# Altium PCB 单片机综合实验电路板.PcbDoc (part 2 of 2)
Units mil, origin at the board's own origin, x right, y up, seen from the top; angles counter-clockwise.
Board outline 6645 x 5655 mil, 2 copper layers (Top Layer, Bottom Layer); 110 components, 121 nets, 532 pads, 90 vias.
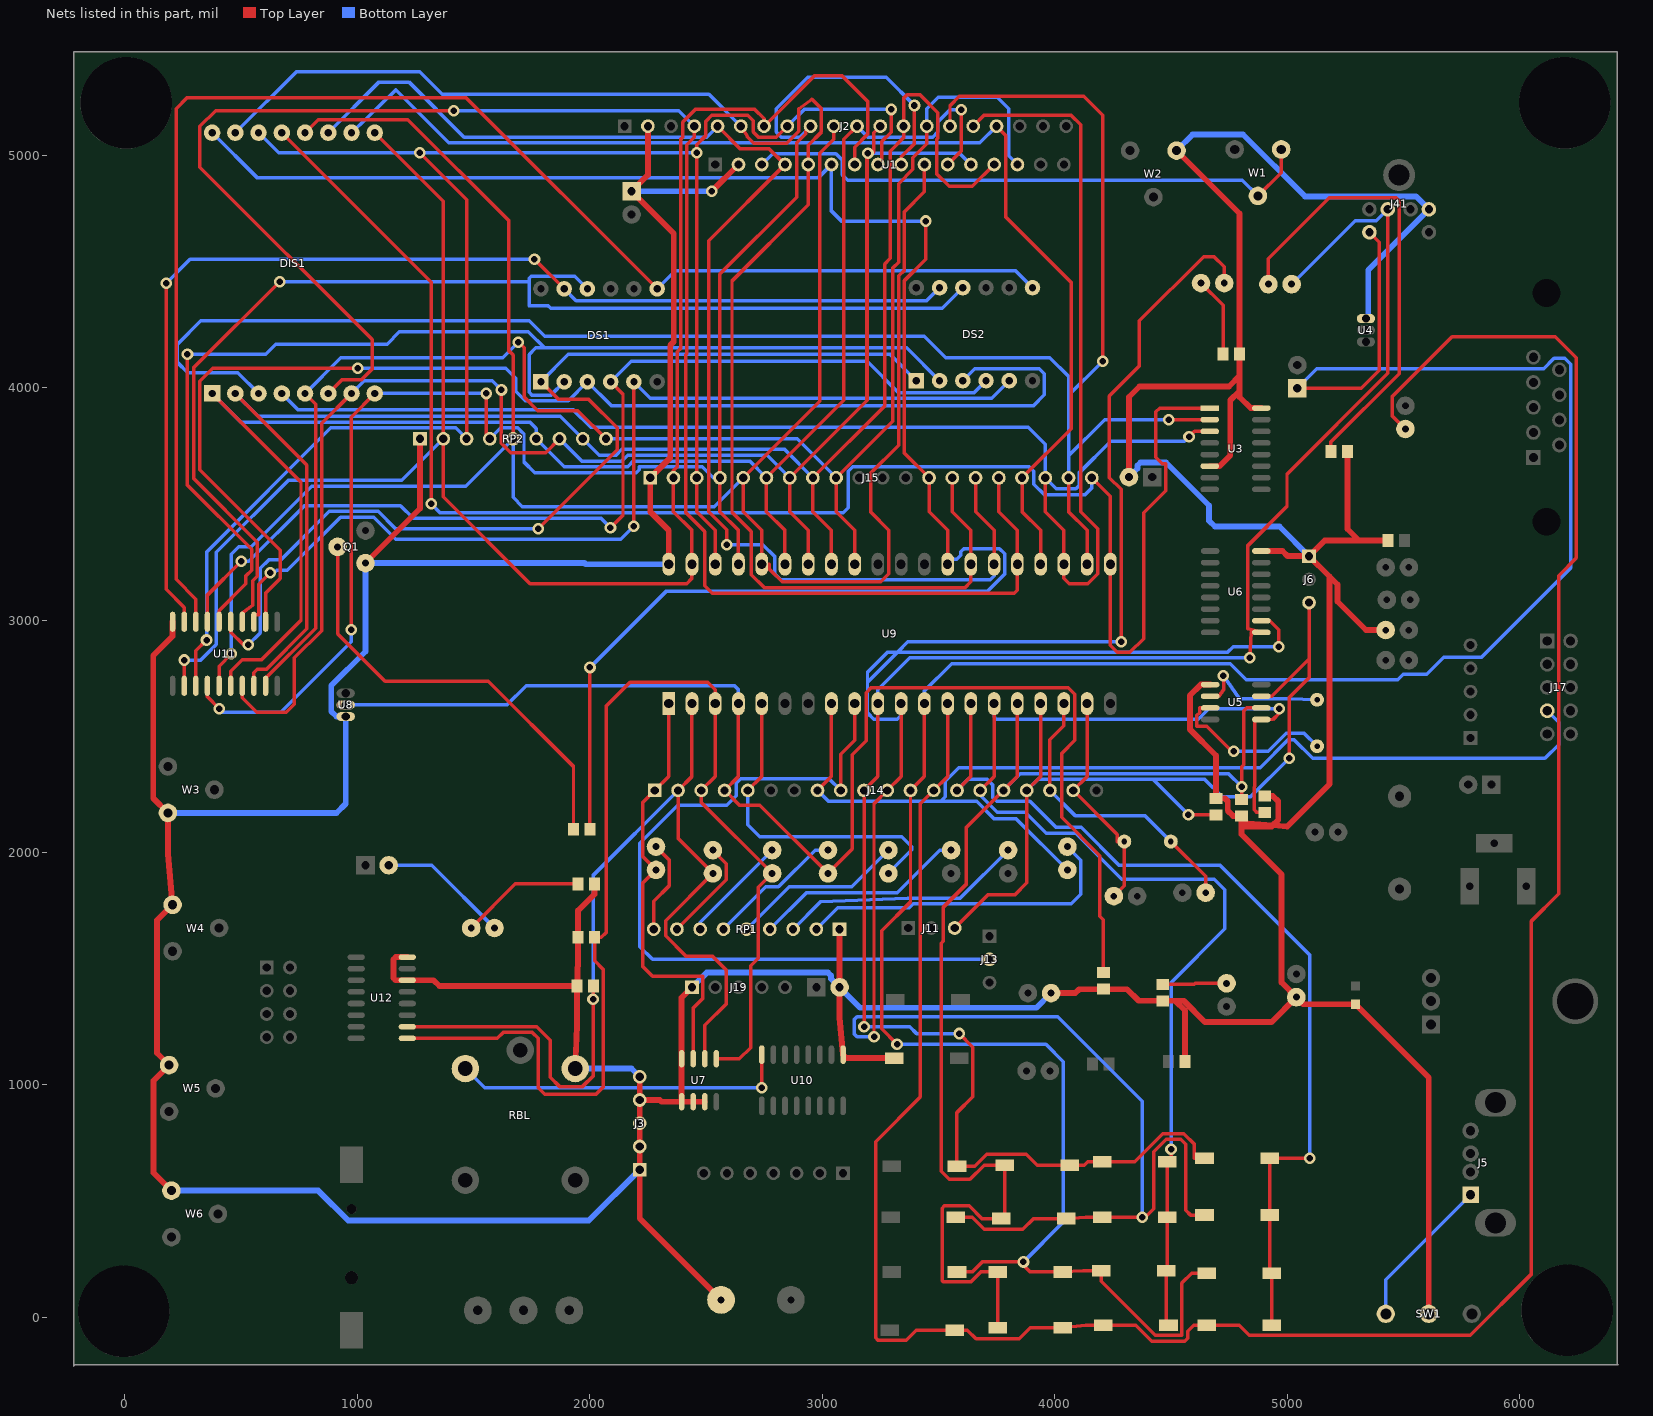
[diagram p2: the nets of this part, all layers, seen from the top]

## Via types
v1: diameter 50, hole 28, Top Layer to Bottom Layer, 90 vias

## Nets (pads, with @x,y where several pads share a name; then routed paths per layer and width w, separated by ;. In a path a pad name is that pad's centre, name@x,y a point inside that pad or via, vN(x,y) a via of type N, cw(c..) or ccw(c..) an arc to the next point about the centre after c; other vN are vias at no path point) (continued)
NetJ23_2: J23.2 LED12.K | length 566.8
  Bottom Layer w15: J23.2@1135,1945 1320,1945 LED12.K@1590,1675
NetLED1_A: LED1.A R18.1 | length 276.9
  Top Layer w15: R18.1@4465,1432.56 4600,1432.56 4604.57,1437.13 LED1.A@4740,1437.13
NetLED2_A: LED2.A RP1.9 | length 407.2
  Top Layer w15: RP1.9@2275,1670 2275,1790.08 2343,1858.08 2343,1967 LED2.A@2285,2025
NetLED3_A: LED3.A RP1.8 | length 452.3
  Top Layer w15: RP1.8@2375,1670 2588,1883 2588,1952 LED3.A@2530,2010
NetLED4_A: LED4.A RP1.7 | length 468.4
  Bottom Layer w15: RP1.7@2475,1670 2475,1700 LED4.A@2785,2010
NetLED5_A: LED5.A RP1.6 | length 590.8
  Bottom Layer w15: RP1.6@2575,1670 2757,1852 2812,1852 2970,2010 LED5.A@3025,2010
NetLED6_A: LED6.A RP1.5 | length 750.8
  Bottom Layer w15: RP1.5@2675,1670 2857.5,1852.5 3127.5,1852.5 LED6.A@3285,2010
NetLED7_A: LED7.A RP1.4 | length 920.8
  Bottom Layer w15: RP1.4@2775,1670 2932.5,1827.5 3323.84,1827.5 3506.34,2010 LED7.A@3555,2010
NetLED8_A: LED8.A RP1.3 | length 1059.2
  Bottom Layer w15: RP1.3@2875,1670 2992,1787 3367.34,1804 3594,1804 LED8.A@3800,2010
NetLED9_A: LED9.A RP1.2 | length 1429.2
  Bottom Layer w15: RP1.2@2975,1670 3067,1762 3375,1762 3392,1779 4072,1779 4113,1820 4113,1967 LED9.A@4055,2025
NetLED10_A: LED10.A R2.1 | length 344.4
  Top Layer w15: LED10.A@4630,4450 4725,4355 R2.1@4725,4145
NetLED11_A: LED11.A R3.1 | length 1987.1
  Top Layer w15: LED11.A@4920,4445 4920,4555 5182,4817 5470,4817 5482.3,4804.7 5482.3,4060.3 5189.13,3767.13 R3.1@5189.13,3725
NetLED12_A: LED12.A R10.1 | length 538.3
  Top Layer w15: LED12.A@1490,1675 1680,1865 R10.1@1949.57,1865
NetQ1_B: Q1.B R1.2 | length 1896.1
  Top Layer w15: Q1.B@915,3315 915,2940 1119,2736 1564,2736 1930,2370 R1.2@1930,2100
NetRBL_2: RBL.2 U10.16 | length 1452.5
  Top Layer w15: v1(2740,987) U10.16@2740,1130
  Bottom Layer w15: RBL.2@1465,1070.32 1548.32,987 v1(2740,987)
NetU1_3: U1.3 W1.1 W1.3 | length 2509.1
  Top Layer w15: W1.3@4875,4825 4975,4925 W1.1@4975,5025
  Bottom Layer w15: U1.3@2740,4960 2787.03,5007.03 3059.48,5007.03 3087.03,4979.48 3087.03,4914.97 3110,4892 4808,4892 W1.3@4875,4825
NetU5_2: U5.2 Y1.1 | length 587.4
  Top Layer w15: U5.2@4669.57,2672.13 4707,2672.13 4727.07,2700.07 4727.07,2758.47 v1(4726,2760)
  Bottom Layer w15: v1(4726,2760) 4795,2661 5004.75,2661 Y1.1@5129.57,2657.13
NetU5_3: U5.3 Y1.2 | length 747.1
  Top Layer w15: U5.3@4669.57,2622.13 4624.07,2622.13 4624.07,2602 4612.07,2590 4612.07,2542.63 4655.37,2542.63 4762,2436 v1(4771,2436)
  Bottom Layer w15: v1(4771,2436) 4920,2436 4997.5,2513.5 5073.19,2513.5 Y1.2@5129.57,2457.13
P00: DIS1.9 J2.7 J15.2 RP2.2 U1.7 U9.39 U11.2 | length 8086.6
  Top Layer w15: U11.2@255,2717.2 v1(255,2828) ; DIS1.9@1075,5097.05 1370,4802.05 RP2.2@1370,3780 1370,3530 1743,3157 2416.84,3157 2439.84,3180 U9.39@2439.84,3240.43 2439.84,3386 2360,3465.84 J15.2@2360,3612.13 2360,3643 2376,3659 2376,4154.27 2392.5,4170.77 2392.5,5070 2400,5077.5 2400,5143 2454.03,5197.03 2710,5197.03 2750,5157.03 J2.7@2750,5125 2968,5343 3084,5343 3197.03,5229.97 3197.03,5092.03 3140,5035 U1.7@3140,4960
  Bottom Layer w15: v1(255,2828) 326.5,2828 393.5,2895 393.5,3291 703.5,3601 1191,3601 RP2.2@1370,3780
P01: DIS1.14 J2.8 J15.3 RP2.3 U1.8 U9.38 U11.3 | length 8340.6
  Top Layer w15: U11.3@305,2717.2 305,2868 v1(351,2914) ; v1(1268,5010) 1470,4808 RP2.3@1470,3780 ; U9.38@2539.84,3240.43 2539.84,3386 2460,3465.84 J15.3@2460,3612.13 v1(2460,5010) 2460,5045 2500,5085 2500,5147 2525.03,5172.03 2678.97,5172.03 2702.97,5148.03 2702.97,5100 2725.97,5077 2802,5077 J2.8@2850,5125 ; U1.8@3240,4960 3257,4960 3257,5059 3297.34,5099.34 v1(3297.34,5197.03)
  Bottom Layer w15: v1(351,2914) 351,3292.12 885.91,3827.03 1422.97,3827.03 RP2.3@1470,3780 ; DIS1.14@575,5097.05 662.05,5010 v1(1268,5010) v1(2460,5010) ; J2.8@2850,5125 2922.03,5197.03 v1(3297.34,5197.03)
P02: DIS1.8 J2.9 J15.4 RP2.4 U1.9 U9.37 U11.4 | length 7152.2
  Top Layer w15: U11.4@355,2717.2 355,2670 v1(406,2619) ; v1(973,2958) 973,3873 DIS1.8@1075,3975 ; v1(1555,3975) 1555,3780 RP2.4@1570,3780 ; U9.37@2639.84,3240.43 2639.84,3386 2560,3465.84 J15.4@2560,3612.13 2560,4488.92 2890,4818.92 2890,5052.97 2929.25,5092.22 2929.25,5104.25 J2.9@2950,5125 ; U1.9@3340,4960 3340,4992.97 3397.03,5050 v1(3397.03,5214)
  Bottom Layer w15: v1(406,2619) 421.6,2603.4 670,2603.4 973,2906.4 v1(973,2958) ; DIS1.8@1075,3975 v1(1555,3975) ; RP2.4@1570,3780 1617.03,3827.03 1690,3827.03 1717.03,3800 1717.03,3680 1764.03,3633 2200,3633 2212.97,3645.97 2212.97,3659.15 2483.85,3659.15 2530.87,3612.13 J15.4@2560,3612.13 ; J2.9@2950,5125 2902.97,5077.97 2824.03,5077.97 2802,5100 2802,5200 2937.5,5335.5 3275.53,5335.5 v1(3397.03,5214)
P03: DIS1.12 J2.10 J15.5 RP2.5 U1.10 U9.36 U11.5 | length 9915
  Top Layer w15: U11.5@405,2717.2 405,2802 v1(457.5,2854.5) ; DIS1.12@775,5097.05 830.95,5153 1217.22,5153 1650.5,4719.72 1650.5,4160 1670,4140.5 RP2.5@1670,3780 ; J2.10@3050,5125 3050,5067.97 2990,5007.97 2990,3942.13 J15.5@2660,3612.13 2660,3465.84 2739.84,3386 U9.36@2739.84,3240.43 2773,3240.43 2773,3219.51 2827.51,3165 3252,3165 3287,3200 3287,3387 3208,3466 3208,3631 3329.03,3752.03 3329.03,4480.97 3354.03,4505.97 3354.03,4757.03 3440,4843 U1.10@3440,4960
  Bottom Layer w15: v1(457.5,2854.5) 457.5,3283 490,3315.5 543.4,3315.5 803.9,3576 1466,3576 RP2.5@1670,3780 1670,3528 1710,3488 2535.87,3488 J15.5@2660,3612.13
P04: DIS1.1 J2.11 J15.6 RP2.6 U1.11 U9.35 U11.6 | length 7052.8
  Top Layer w15: DIS1.1@375,3975 757.5,3592.5 757.5,2999.5 587.62,2829.62 504.62,2829.62 455,2780 U11.6@455,2717.2 ; U9.35@2839.84,3240.43 2839.84,3386 2760,3465.84 J15.6@2760,3612.13 3092.97,3945.1 3092.97,5067.97 J2.11@3150,5125 ; U1.11@3540,4960 3598,5018 v1(3598,5196)
  Bottom Layer w15: DIS1.1@375,3975 497.97,3852.03 1742.03,3852.03 1770,3824.06 RP2.6@1770,3780 1890.85,3659.15 2162.97,3659.15 2187.97,3684.15 2687.97,3684.15 J15.6@2760,3612.13 ; J2.11@3150,5125 3197.03,5077.97 3475,5077.97 3497.03,5100 3497.03,5143.03 3550,5196 v1(3598,5196)
P05: DIS1.7 J2.12 J15.7 RP2.7 U1.12 U9.34 U11.7 | length 7649.5
  Top Layer w15: U11.7@505,2717.2 505,2665 566.6,2603.4 694.31,2603.4 729.19,2638.28 729.19,2837.21 846,2954.02 846,3846 DIS1.7@975,3975 ; v1(1620,3990) 1620,3760 1660,3720 1810,3720 RP2.7@1870,3780 ; U9.34@2939.84,3240.43 2939.84,3386 2860,3465.84 J15.7@2860,3612.13 3192,3944.13 ; v1(3197,5009) 3192,5004 3192,3944.13 ; J2.12@3250,5125 3222.03,5097.03 3222.03,5013.92 3192.97,4984.86 3192.97,3945.1 3192,3944.13
  Bottom Layer w15: DIS1.7@975,3975 1029,4029 1581,4029 v1(1620,3990) ; RP2.7@1870,3780 1965.85,3684.15 2137.97,3684.15 2162.97,3709.15 2762.97,3709.15 J15.7@2860,3612.13 ; v1(3197,5009) 3591,5009 U1.12@3640,4960
P06: DIS1.2 J2.13 J15.8 RP2.8 U1.13 U9.33 U11.8 | length 7118.9
  Top Layer w15: DIS1.2@475,3975 783,3667 783,2962.36 609.18,2788.54 570,2788.54 555,2773.54 U11.8@555,2717.2 ; U9.33@3039.84,3240.43 3039.84,3386 2960,3465.84 J15.8@2960,3612.13 3268.89,3921.01 3268.89,4531.88 3292.97,4555.97 3292.97,5017.84 3350,5074.87 J2.13@3350,5125 3350,5245 3365,5260 3421,5260 3498,5183 3498,5073 3492,5067 3492,4920 3546,4866 3646,4866 U1.13@3740,4960
  Bottom Layer w15: DIS1.2@475,3975 572.97,3877.03 1872.97,3877.03 RP2.8@1970,3780 2040.85,3709.15 2112.97,3709.15 2137.97,3734.15 2837.97,3734.15 J15.8@2960,3612.13
P07: DIS1.5 J2.14 J15.9 RP2.9 U1.14 U9.32 U11.9 | length 6910.8
  Top Layer w15: U11.9@605,2717.2 605,2749 821,2965 821,3929 DIS1.5@775,3975 ; v1(1693,4196) 1718,4171 1718,3960 1777,3901 1949,3901 RP2.9@2070,3780 ; U9.32@3139.84,3240.43 3139.84,3386 3060,3465.84 J15.9@3060,3612.13 3304.03,3856.16 3304.03,4515 3329.03,4540 3329.03,4878.03 3390,4939 3390,4988.92 3450,5048.92 J2.14@3450,5125
  Bottom Layer w15: DIS1.5@775,3975 928,4128 1625,4128 v1(1693,4196) ; RP2.9@2070,3780 2892.13,3780 J15.9@3060,3612.13 ; J2.14@3450,5125 3450,5200 3499,5249 3753,5249 3802,5200 3802,4998 U1.14@3840,4960
P10: J14.1 LED2.K U7.7 U9.1 | length 1875
  Top Layer w15: U9.1@2339.84,2640.43 2339.84,2326.97 J14.1@2280,2267.13 2227,2214.13 2227,1983 LED2.K@2285,1925 2227,1867 2227,1510.03 2270,1467.03 2487.03,1467.03 2487.03,1372.97 2445,1330.94 U7.7@2445,1112.52
P11: J14.2 LED3.K R8.1 U7.6 U9.2 U12.10 | length 4369.4
  Top Layer w15: U12.10@1215,1250 1621.39,1250 1622,1250.61 1772.16,1250.61 1830,1192.78 1830,1033 1870,993 1968.87,993 2015.87,1040 v1@2015.87,1370.87 ; v1(2014,1369) v1@2015.87,1370.87 ; R8.1@2015.87,1425 v1@2015.87,1370.87 ; U9.2@2439.84,2640.43 2439.84,2326.97 J14.2@2380,2267.13 2380,2060 LED3.K@2530,1910 2327,1707 2327,1641 2413.57,1554.43 2526.83,1554.43 2587.03,1494.23 2587.03,1347.97 2495,1255.94 U7.6@2495,1112.52
  Bottom Layer w15: v1(2014,1369) 2014,1901.13 J14.2@2380,2267.13
P12: J14.3 LED4.K R9.1 U7.5 U9.3 U12.9 | length 5215.4
  Top Layer w15: U12.9@1215,1200 1602,1200 1627.61,1225.61 1752.16,1225.61 1777.78,1200 1777.78,987.22 1806,959 2027,959 2057,989 2057,1498 2020.87,1534.13 R9.1@2020.87,1635 2050,1635 2070,1655 2070,2629 2173.15,2732.15 2507.69,2732.15 2539.84,2700 U9.3@2539.84,2640.43 2539.84,2326.97 J14.3@2480,2267.13 2480,2215 LED4.K@2785,1910 2725,1850 2725,1545 2692,1512 2692,1160 2644,1112 2545,1112 U7.5@2545,1112.52
P13: J14.4 LED5.K R20.1 U8.2 U9.4 | length 5840.3
  Top Layer w15: U9.4@2639.84,2640.43 2639.84,2326.97 J14.4@2580,2267.13 2644.13,2203 2732,2203 LED5.K@3025,1910 3130,2015 3130,2420 3190,2480 3190,2688 3210,2708 4059,2708 4087,2680 4087,2483 4030,2426 4030,2151 4195,1986 4195,1726 4210,1711 R20.1@4210,1482.56
  Bottom Layer w15: U8.2@950,2635 1644,2635 1726,2717 2622.84,2717 2639.84,2700 U9.4@2639.84,2640.43
P14: J14.5 LED6.K U9.5 | length 1447.4
  Top Layer w15: J14.5@2680,2267.13 2739.84,2326.97 U9.5@2739.84,2640.43
  Bottom Layer w15: J14.5@2680,2267.13 2680,2120 2732,2068 3343,2068 3386,2025 3386,2011 LED6.K@3285,1910
P17: J14.8 J17.7 LED9.K U9.8 | length 4645.9
  Top Layer w15: J14.8@2980,2267.13 3039.84,2326.97 U9.8@3039.84,2640.43
  Bottom Layer w15: J14.8@2980,2267.13 3027.13,2220 3510,2220 ; LED9.K@4055,1925 3835.8,2144.2 3740.34,2144.2 3664.53,2220 3510,2220 ; J17.7@6120,2610 6169,2561 6169,2464 6110,2405 5111,2405 5032,2484 5004,2484 4884.15,2364.15 3587.15,2364.15 3530,2307 3530,2240 3510,2220
P20: DIS1.13 J15.20 U3.1 U9.21 | length 7245.5
  Top Layer w15: DIS1.13@675,5097.05 1318,4454.05 v1(1318,3500) ; J15.20@4160,3612.13 4239.84,3532.28 U9.21@4239.84,3240.43 4239.84,2891.16 4270,2861 4324,2861 4383,2920 4383,3462.5 4477.5,3557 4477.5,3673 4463,3673 4436,3700 4436,3896.13 4452,3912.13 U3.1@4667.67,3912.13
  Bottom Layer w15: v1(1318,3500) 1355.5,3462.5 3091.5,3462.5 3112,3483 3112,3640 3132,3660 3890,3660 3910,3640 3910,3585.1 3955,3540.1 4132.03,3540.1 4160,3568.07 J15.20@4160,3612.13
P21: DIS1.3 J2.15 J15.19 U3.2 U9.22 | length 8032.8
  Top Layer w15: J2.15@3550,5125 3550,5213 3590,5253 4126,5253 4207,5172 v1(4207,4114) ; J15.19@4060,3612.13 4060,3465.84 4139.84,3386 U9.22@4139.84,3240.43 ; v1(4492,3862.13) U3.2@4667.67,3862.13
  Bottom Layer w15: DIS1.3@575,3975 486,4064 270,4064 226,4108 226,4187 327,4288 1740,4288 1807,4221 3439,4221 3531,4129 3980,4129 4060,4049 4060,3967 ; J15.19@4060,3612.13 4060,3706.3 ; v1(4207,4114) 4060,3967 ; v1(4492,3862.13) 4215.83,3862.13 4060,3706.3 ; 4060,3706.3 4060,3967
P22: DIS1.4 J2.16 J15.18 U3.3 U9.23 | length 7479.5
  Top Layer w15: J2.16@3650,5125 3698,5173 4070,5173 4112,5131 4112,3466 4185,3393 4185,3200 4142,3157 4062.84,3157 4039.84,3180 U9.23@4039.84,3240.43 4039.84,3386 3960,3465.84 J15.18@3960,3612.13 ; v1(4578.37,3788.5) 4602,3812.13 U3.3@4667.67,3812.13
  Bottom Layer w15: DIS1.4@675,3975 746,3904 1930,3904 2005,3829 3887,3829 3960,3756 J15.18@3960,3612.13 4007.03,3565.1 4092.13,3565.1 4107.03,3580 4107.03,3635.03 4241,3769 4558.87,3769 v1(4578.37,3788.5)
P23: DIS1.10 J2.17 J15.17 U9.24 | length 5112.2
  Top Layer w15: J2.17@3750,5125 3788.93,5086.07 3788.93,4735.07 4071.5,4452.5 4071.5,3823.63 J15.17@3860,3612.13 3860,3465.84 3939.84,3386 U9.24@3939.84,3240.43
  Bottom Layer w15: DIS1.10@975,5097.05 1165,5281 1393.03,5052.97 3677.97,5052.97 J2.17@3750,5125
P24: DIS1.6 J2.4 J15.16 U9.25 | length 7676.6
  Top Layer w15: DIS1.6@875,3975 933,4033 1017,4033 1064,4080 1064,4207 322,4949 322,5124 390,5192 v1(1415,5192) ; J2.4@2450,5125 2450,5078 2417.5,5045.5 2417.5,4145.5 2412,4140 2412,3464 2495,3381 2495,3147 2527,3115 3826.84,3115 3839.84,3128 U9.25@3839.84,3240.43 3839.84,3386 3760,3465.84 J15.16@3760,3612.13
  Bottom Layer w15: v1(1415,5192) 2383,5192 J2.4@2450,5125
P25: DIS1.11 J2.5 J15.15 U1.4 U9.26 | length 5763.4
  Top Layer w15: J2.5@2550,5125 2648,5027 2773,5027 U1.4@2840,4960 2512,4632 2512,3466 2590,3388 v1(2590,3324) ; J15.15@3660,3612.13 3660,3465.84 3739.84,3386 U9.26@3739.84,3240.43
  Bottom Layer w15: DIS1.11@875,5097.05 1092.95,5315 1222,5315 1459.03,5077.97 2502.97,5077.97 J2.5@2550,5125 ; v1(2590,3324) 2745,3324 2795,3274 2795,3200 2822,3173 3722.84,3173 3739.84,3190 U9.26@3739.84,3240.43
P26: DIS1.15 J2.6 J15.14 U1.5 U9.27 | length 6570.4
  Top Layer w15: J2.6@2650,5125 2678,5080 2706,5052 2848,5052 2900,5104 2900,5200 2956.03,5241 2997.03,5200 2997.03,5100 2940,5042.97 U1.5@2940,4960 2940,4787 2612,4459 2612,3464 2695,3381 2695,3195 2750,3140 3615.84,3140 3639.84,3164 U9.27@3639.84,3240.43 3639.84,3386 3560,3465.84 J15.14@3560,3612.13
  Bottom Layer w15: DIS1.15@475,5097.05 737.95,5360 1268,5360 1366,5262 2513,5262 J2.6@2650,5125
P27: DIS1.16 J15.13 R1.1 U1.6 U9.28 | length 8020.1
  Top Layer w15: R1.1@2000.87,2100 v1(2000.87,2796) ; v1(3446,4717) 3446,4552.97 3354.03,4461 3354.03,3718.09 J15.13@3460,3612.13 3460,3465.84 3539.84,3386 U9.28@3539.84,3240.43
  Bottom Layer w15: DIS1.16@375,5097.05 568.05,4904 2984,4904 U1.6@3040,4960 3040,4760 3083,4717 v1(3446,4717) ; v1(2000.87,2796) 2327.87,3123 3710,3123 3785,3198 3785,3285 3762.85,3307.15 3610,3307.15 3596,3293.15 3596,3279 3579,3262 3539.84,3262 U9.28@3539.84,3240.43
P30: J14.10 J41.1 LED11.K S1.2 S5.2 S9.2 S13.2 U6.9 U9.10 | length 8231.1
  Top Layer w15: v1(3180,1250) J14.10@3180,2267.13 3239.84,2326.97 U9.10@3239.84,2640.43 ; v1(3589,1221) 3648,1162 3648,949 3580,881 S1.2@3580,650 3656,650 3708,702 3878,702 3925,655 S5.2@4065,655 4127,655 4142,670 S9.2@4205,670 4345,670 4465.5,790.5 4556.07,790.5 4600,746.57 4600,685 S13.2@4645,685 ; v1(4840,2837.5) 4847,2947.13 U6.9@4889.57,2947.13 4832,2962.13 4832,3321 5000,3489 5000,3628 5433.31,4061.3 J41.1@5433.31,4767.13
  Bottom Layer w15: v1(3180,1250) 3377,1250 3406,1221 v1(3589,1221) ; U9.10@3239.84,2640.43 3239.84,2700 3377.34,2837.5 v1(4840,2837.5) ; LED11.K@5020,4445 5293,4718 5384.18,4718 J41.1@5433.31,4767.13
P31: J14.11 LED10.K S2.2 S6.2 S10.2 S14.2 U6.10 U9.11 | length 10779
  Top Layer w15: v1(3223,1207) 3223,2210.13 J14.11@3280,2267.13 3339.84,2326.97 U9.11@3339.84,2640.43 ; S2.2@3575,430 3646,430 3698,378 3863,378 3910,425 S6.2@4050,425 4133,430 S10.2@4205,430 v1(4377,430) 4390,430 4427,467 4427,712.5 4480,765.5 4543.5,765.5 4565,744 4565,460 4585,440 S14.2@4645,440 ; v1(4287,2906) 4287,3562 4236,3613 4236,3964 4365,4093 4365,4288 4641,4564 4686,4564 4730,4520 LED10.K@4730,4450 ; U6.10@4889.57,2997.13 4925,2997.13 4964,2958.13 v1(4964,2885)
  Bottom Layer w15: v1(3223,1207) 3150,1207 3137,1220 3137,1280 3150,1293 4014,1293 4377,930 v1(4377,430) ; U9.11@3339.84,2640.43 3339.84,2590 3323.56,2573.72 3221.28,2573.72 3195,2600 3195,2732 ; v1(4287,2906) 3369,2906 3325.5,2862.5 ; v1(4964,2885) 4768.2,2885 4745.7,2862.5 3325.5,2862.5 ; 3195,2732 3325.5,2862.5 ; 3195,2732 3195,2776 3281.5,2862.5 3325.5,2862.5
P32: J7.1 J14.12 J41.5 S3.2 S7.2 S11.2 S15.2 U9.12 | length 10982.1
  Top Layer w15: v1(3322,1175) 3256,1241 3256,1663 3380,1787 J14.12@3380,2267.13 3439.84,2326.97 U9.12@3439.84,2640.43 ; S3.2@3580,195 3646,195 3689,238 v1@3852,238 ; v1(3866,238) v1@3852,238 ; S15.2@4655,190 4590,190 4547.5,147.5 4547.5,-77.5 4432.5,-77.5 4200,155 S11.2@4200,200 4123,200 S7.2@4035,195 3895,195 v1@3852,238 ; J7.1@5044.57,3997.13 5319.13,3997.13 5397,4075 5397,4626.27 J41.5@5354.57,4668.7
  Bottom Layer w15: v1(3322,1175) 3963,1175 4038,1100 4038,410 v1(3866,238) ; U9.12@3439.84,2640.43 3439.84,2695 3557.34,2812.5 4755.5,2812.5 4824,2744 5477,2744 5500,2767 5601,2767 5674,2840 5837,2840 6221,3224 6221,4100 6195,4126 6149,4126 6104,4081 5128.44,4081 J7.1@5044.57,3997.13
P33: IR1.K J14.13 S4.2 S8.2 S12.2 S16.2 U9.13 | length 11059.5
  Top Layer w15: U9.13@3539.84,2640.43 3539.84,2326.97 J14.13@3480,2267.13 3422,2209.13 3422,948 3230,756 3230,-88 3240,-98 3362,-98 3405,-55 S4.2@3570,-55 3625,-55 3662,-92 3848,-92 3895,-45 S8.2@4035,-45 4133,-35 S12.2@4210,-35 4350,-35 4417.5,-102.5 4560.5,-102.5 4573,-90 4573,-60 4598,-35 S16.2@4655,-35 4795,-35 4838,-78 5788,-78 6050,184 6050,1703 6169,1822 6169,3191 6245,3267 6245,4129 6155,4219 5710,4219 5452,3961 5452,3879.69 IR1.K@5509.57,3822.13
P34: J14.14 S13.1 S14.1 S15.1 S16.1 U9.14 | length 4056.5
  Top Layer w15: J14.14@3580,2267.13 3639.84,2326.97 U9.14@3639.84,2640.43 ; S16.1@4935,-35 S15.1@4935,190 4925,190 S14.1@4925,440 S13.1@4925,685 v1(5098,685)
  Bottom Layer w15: J14.14@3580,2267.13 3627.03,2314.15 3710,2314.15 3732.97,2291.18 3732.97,2238.03 3751,2220 3894,2220 4006,2108 4114,2108 4278,1944 4713,1944 5098,1559 v1(5098,685)
P35: J14.15 R13.1 S9.1 S10.1 S11.1 S12.1 U5.5 U9.15 | length 5522.7
  Top Layer w15: J14.15@3680,2267.13 3739.84,2326.97 U9.15@3739.84,2640.43 ; S12.1@4490,-35 4480,-35 S11.1@4480,200 4485,200 S10.1@4485,430 S9.1@4485,670 4501,670 v1(4501,723) ; R13.1@4904.57,2172.13 4870,2172.13 4859,2183.13 4859,2281 4862,2284 4862,2572.13 U5.5@4889.57,2572.13 4939.75,2572.13 4966.13,2598.5 v1(4966.13,2618.5)
  Bottom Layer w15: J14.15@3680,2267.13 3680,2246 3753,2173 3874,2173 3964.5,2082.5 4091,2082.5 4288.5,1885 4687,1885 4732,1840 4732,1671 4501,1440 v1(4501,723) ; U9.15@3739.84,2640.43 3739.84,2583.16 3749.5,2573.5 4618.5,2573.5 4663.5,2618.5 v1(4966.13,2618.5)
P36: J14.16 R12.1 S5.1 S6.1 S7.1 S8.1 U5.6 U9.16 | length 5342.1
  Top Layer w15: S8.1@3755,-45 S7.1@3755,195 3682,195 3639,152 3522,152 3516,158 3516,470 3526,480 3632,480 3687,425 S6.1@3770,425 3785,425 S5.1@3785,655 3697,655 3636,594 3546,594 3512,628 3512,1610 3520,1618 3520,1763 3619,1862 3619,2106.13 J14.16@3780,2267.13 3839.84,2326.97 U9.16@3839.84,2640.43 ; R12.1@4804.57,2227.56 v1(4804.57,2283) 4804.57,2368.5 4813.5,2377.43 4813.5,2608.93 4826.69,2622.13 U5.6@4889.57,2622.13
  Bottom Layer w15: J14.16@3780,2267.13 3852.03,2339.15 4748.41,2339.15 v1(4804.57,2283)
P37: J6.3 J11.3 J14.17 R11.1 U5.7 U9.17 | length 3744.8
  Top Layer w15: J11.3@3570,1675 3714,1819 3830,1819 3880,1869 J14.17@3880,2267.13 3939.84,2326.97 U9.17@3939.84,2640.43 ; v1(4576,2162.13) R11.1@4694.57,2162.13 ; U5.7@4889.57,2672.13 4934.19,2672.13 5095,2832.93 ; v1(5009,2406) 5009,2667 5095,2753 5095,2832.93 ; J6.3@5095,3075 5095,2832.93
  Bottom Layer w15: J14.17@3880,2267.13 3927.03,2314.15 4423.97,2314.15 ; v1(4576,2162.13) 4423.97,2314.15 ; v1(5009,2406) 4843,2240 4721,2240 4646.85,2314.15 4423.97,2314.15
PA0: DS1.11 DS2.11 U11.19 | length 4957.5
  Top Layer w15: v1(177,4450) 177,3132 255,3054 U11.19@255,2992.8 ; v1(1762,4553) DS1.11@1890,4425
  Bottom Layer w15: v1(177,4450) 280,4553 v1(1762,4553) ; DS1.11@1890,4425 1941,4374 3449,4374 DS2.11@3505,4430
PA1: DS1.7 DS2.7 U11.18 | length 6349.4
  Top Layer w15: U11.18@305,2992.8 305,3089.96 220,3174.96 220,5200 266.36,5246.36 1468.64,5246.36 DS1.7@2290,4425
  Bottom Layer w15: DS1.7@2290,4425 2368,4503 3832,4503 DS2.7@3905,4430
PA2: DS1.4 DS2.4 U11.17 | length 4448.4
  Top Layer w15: U11.17@355,2992.8 355,3108 v1(500,3253) ; v1(2089,3397) 2143,3451 2143,3972 DS1.4@2090,4025
  Bottom Layer w15: v1(500,3253) 532.88,3253 772.38,3492.5 1185.5,3492.5 1240.5,3437.5 2048.5,3437.5 v1(2089,3397) ; DS1.4@2090,4025 2178,4113 3194,4113 3327.97,3979.03 3654.03,3979.03 DS2.4@3705,4030
PA3: DS1.2 DS2.2 U11.16 | length 5105.9
  Top Layer w15: v1(269,4144) 269,3580 545,3304 545,3214.62 520.19,3189.81 520.19,3156.19 405,3041 U11.16@405,2992.8
  Bottom Layer w15: v1(269,4144) 606,4144 649,4187 1128,4187 1181,4240 1736,4240 1805.1,4170.9 ; DS1.2@1890,4025 1833.32,3968.32 1750.68,3968.32 1739,3980 1739,4142.5 1767.4,4170.9 1805.1,4170.9 ; DS2.2@3505,4030 3364.1,4170.9 1805.1,4170.9
PA4: DS1.1 DS2.1 U11.15 | length 4518
  Top Layer w15: U11.15@455,2992.8 455,2948 510,2893 v1(531,2893) ; v1(1778,3393) 2118,3733 2118,3827 1994,3951 1864,3951 DS1.1@1790,4025
  Bottom Layer w15: v1(531,2893) 582.31,2944.31 582.31,3222.62 618.2,3258.5 670.36,3258.5 879.36,3467.5 1089.5,3467.5 1164,3393 v1(1778,3393) ; DS1.1@1790,4025 1908,4143 3292,4143 DS2.1@3405,4030
PA5: DS1.10 DS2.10 U11.14 | length 5136.6
  Top Layer w15: U11.14@505,2992.8 505,3031 549.91,3063.91 549.91,3168.91 570,3189 570,3335 297,3608 297,4087 v1(666,4456)
  Bottom Layer w15: v1(666,4456) 1739,4456 ; DS1.10@1990,4425 1935,4480 1749,4480 1739,4470 1739,4456 ; DS2.10@3605,4430 3516,4341 1832.5,4341 1822,4351.5 1739.5,4351.5 1739,4352 1739,4456
PA6: DS1.5 DS2.5 U11.13 | length 4275.7
  Top Layer w15: U11.13@555,2992.8 555,3023.65 574.91,3023.65 574.91,3153.91 v1(625,3204) ; v1(2190,3404) DS1.5@2190,4025
  Bottom Layer w15: v1(625,3204) 643,3204 653,3214 699,3214 927.5,3442.5 1070,3442.5 1165.5,3347 2133,3347 v1(2190,3404) ; DS1.5@2190,4025 2260.97,3954.03 3729.03,3954.03 DS2.5@3805,4030
PA7: DS1.3 DS2.3 U11.12 | length 5519.8
  Top Layer w15: U11.12@605,2992.8 605,3116 668,3179 668,3300 322,3646 322,4028 377,4083 v1(1001,4083)
  Bottom Layer w15: v1(1001,4083) 1639,4083 1682,4040 1682,3984 1722.68,3943.32 1908.32,3943.32 DS1.3@1990,4025 2092,3923 3910,3923 3956,3969 3956,4060 3934,4082 3657,4082 DS2.3@3605,4030
RESET: J13.2 J14.9 U9.9 | length 3403.7
  Top Layer w15: J14.9@3080,2267.13 3080,2423 3139.84,2482.84 U9.9@3139.84,2640.43
  Bottom Layer w15: J14.9@3080,2267.13 3029.13,2318 2650,2318 2630,2298 2630,2244 2590,2204 2379,2204 2215,2040 2215,1595 2270,1540 J13.2@3720,1540
VCC: B1.1 C1.1 C2.1 C6.2 C10.1 J1.1 J2.2 J3.1 J3.2 J3.3 J3.4 J3.5 J6.1 J15.1 J16.2 J19.1 J20.2 J41.4 Q1.E R2.2 R3.2 R8.2 R9.2 R10.2 R11.2 R12.2 R13.2 R18.2 R19.2 R20.2 R22.2 RBL.1 RP1.1 RP2.1 S17.2 SW1.2 U1.2 U3.6 U3.16 U4.3 U5.1 U6.16 U7.1 U7.2 U7.3 U7.8 U8.1 U9.40 U10.9 U11.20 U12.14 U12.16 W2.1 W3.2 W4.1 W5.1 W6.1 | length 30979
  Top Layer w25: W6.1@200,545 123,622 123,1018 W5.1@190,1085 138,1137 138,1708 W4.1@205,1775 185,1993 W3.2@185,2170 122,2233 122,2847 205,2930 U11.20@205,2992.8 ; Q1.E@1035,3245 1270,3480 RP2.1@1270,3780 ; U12.16@1215,1550 1165,1550 1155,1540 1155,1460 1165,1450 U12.14@1215,1450 1328,1450 1353,1425 R8.2@1945,1425 ; RBL.1@1937.44,1070.32 1945,1255.56 R8.2@1945,1425 ; R10.2@2020.43,1865 2020.43,1820.43 1950,1750 R9.2@1950,1635 1950,1535 R8.2@1945,1425 ; J3.5@2215,1035 J3.4@2215,935 ; J2.2@2250,5125 2250,4915 J1.1@2180,4845 2361.5,4663.5 2361.5,4197.5 2346,4182 2346,3698.13 J15.1@2260,3612.13 2260,3465.84 2339.84,3386 U9.40@2339.84,3240.43 ; J19.1@2440,1420 2395,1375 U7.8@2395,1112.52 U7.1@2395,927.48 ; U7.3@2495,927.48 U7.2@2445,927.48 U7.1@2395,927.48 ; v1(2525,4845) U1.2@2640,4960 ; B1.1@2565,75 2215,425 J3.1@2215,635 J3.2@2215,735 J3.3@2215,835 J3.4@2215,935 ; RP1.1@3075,1670 J20.2@3075,1420 3075,1290 U10.9@3090,1130 3105,1115 S17.2@3310,1115 ; C10.1@3985,1395 4089,1395 4105.69,1411.69 R20.2@4210,1411.69 4312,1411.69 4362,1361.69 R18.2@4465,1361.69 4519.18,1361.69 ; J16.2@4320,3615 4320,3960 4365,4005 4750,4005 4795.87,4050.87 ; W2.1@4525,5020 4795.87,4749.13 R2.2@4795.87,4145 4795.87,4050.87 ; R22.2@4560.87,1100 4560.87,1320 4519.18,1361.69 ; U3.6@4667.67,3662.13 4710,3662.13 4756,3708.13 4756,3946 4795.87,3985.87 ; U5.1@4669.57,2722.13 4629.13,2722.13 4582.07,2675.07 4582.07,2530 4694.57,2417.5 R11.2@4694.57,2232.99 4732.01,2232.99 4745,2220 4745,2180 4768.31,2156.69 R12.2@4804.57,2156.69 4804.57,2127.43 ; U6.16@4889.57,3297.13 4981,3297.13 5003.13,3275 J6.1@5095,3275 ; U3.16@4889.57,3912.13 4843.74,3912.13 4795.87,3960 4795.87,3985.87 ; R13.2@4904.57,2242.99 4939.01,2242.99 4962,2220 4962,2140 4938.88,2116.88 ; R3.2@5260,3725 5260,3392.13 5310,3342.13 ; C6.2@5424.57,2957.13 5339.87,2957.13 5217,3080 5217,3153 5183,3187 ; R19.2@5433.7,3342.13 5310,3342.13 ; SW1.2@5610,15 5610,1032.13 C2.1@5295,1347.13 5070,1347.13 C1.1@5040,1377.13 ; J3.4@2215,935 2301,935 2308.52,927.48 U7.1@2395,927.48 ; 4519.18,1361.69 4556,1361.69 4647.69,1270 4932.87,1270 C1.1@5040,1377.13 ; 4795.87,3985.87 4795.87,4050.87 ; 4804.57,2127.43 4804.57,2078 4977,1905.57 4977,1440.13 C1.1@5040,1377.13 ; 4804.57,2127.43 4938.88,2116.88 ; 4804.57,2127.43 4820,2112 4934,2112 4938.88,2116.88 ; 4938.88,2116.88 5001,2112 5183,2294 5183,3187 ; J6.1@5095,3275 5183,3187 ; J6.1@5095,3275 5162.13,3342.13 5310,3342.13
  Bottom Layer w25: W3.2@185,2170 910,2170 950,2210 U8.1@950,2585 910,2585 888,2607 888,2718 1035,2865 Q1.E@1035,3245 1977,3245 1982,3240 2339.84,3240 U9.40@2339.84,3240.43 ; W6.1@200,545 832,545 961,416 1996,416 J3.1@2215,635 ; RBL.1@1937.44,1070.32 2179.68,1070.32 J3.5@2215,1035 ; J1.1@2180,4845 v1(2525,4845) ; J19.1@2440,1420 2503,1483 3025,1483 3038,1470 3038,1457 J20.2@3075,1420 3163,1332 3922,1332 C10.1@3985,1395 ; J16.2@4320,3615 4357,3652 4357,3665 4370,3678 4479.13,3678 4664.5,3492.63 4664.5,3427.7 4690,3402.2 4967.8,3402.2 J6.1@5095,3275 ; W2.1@4525,5020 4594,5089 4811,5089 5077,4823 5554.6,4823 J41.4@5610.47,4767.13 5350,4506.65 5350,4297.13 U4.3@5339.57,4297.13
VCCIN: J5.1 SW1.1 | length 663.4
  Bottom Layer w15: SW1.1@5424.96,15 5424.96,162.16 J5.1@5790,527.2
X1: C8.1 J14.18 U9.18 Y2.1 | length 1291.4
  Top Layer w15: J14.18@3980,2267.13 3980,2485.2 4039.84,2545.05 U9.18@4039.84,2640.43 ; Y2.1@4500,2047.13 4650,1897.13 C8.1@4650,1827.13
  Bottom Layer w15: J14.18@3980,2267.13 4090.13,2157 4390.13,2157 Y2.1@4500,2047.13
X2: C9.1 J14.19 U9.19 Y2.2 | length 980.5
  Top Layer w15: U9.19@4139.84,2640.43 4139.84,2326.97 J14.19@4080,2267.13 4269.87,2077.25 4269.87,2047.13 Y2.2@4300,2047.13 4300,1857.13 C9.1@4255,1812.13
pads on no net: BT1.0 J5.2 J5.3 J10. J10.1 J10.2 J10.3 J10.4 J10.6 J10.9 J17.2 J17.3 J17.4 J17.5 J17.6 J17.8 J17.10 J41.2 J41.6 J41.S U2.0 U6.11 U6.12 U6.13 U6.14 U12.11

## Polygon pours and split planes (outlines as drawn)
GND on Top Layer "GND_L01_P000" (solid, pour order 0): 6420,5445 6420,-205 6390,-175 -215,-175 -215,5445
GND on Bottom Layer "GND_L02_P002" (solid, pour order 2): -220,5445 6420,5445 6420,-220 -190,-220 -215,-195 -215,5450 -225,5460

## Keep-outs
Keep-Out Layer:
  the board outline again, w10

## Text inside footprints (layer, text, board x,y; h text height)
B1: Top Overlay "+" at 2595,-35 h60; Top Overlay "B" at 2705,95 h60 r180
C1: Top Overlay "+" at 5000,1377.13 h20 r90
C3: Top Overlay "+" at 5220,2047.13 h20 r180
C10: Top Overlay "+" at 3985,1355 h20 r180
C11: Top Overlay "+" at 3880,1100 h20
IR1: Top Overlay "+" at 5549.57,3922.13 h20 r270
J5: Top Overlay "USB-A" at 6191.97,800.04 h60 r270; Top Overlay "VCC" at 5860,505 h40; Top Overlay "D-" at 5860,595 h40; Top Overlay "D+" at 5860,685 h40; Top Overlay "GND" at 5860,785 h40
J10: Top Overlay "9" at 6332.44,4068.54 h40 r90; Top Overlay "1" at 5938.74,3670.91 h40 r90; Top Overlay "5" at 5934.8,4119.72 h40 r90; Top Overlay "6" at 6328.5,3733.9 h40 r90
J21: Top Overlay "8" at 690,1145 h50 r270; Top Overlay "7" at 590,1145 h50 r270; Top Overlay "1" at 590,1585 h50 r270; Top Overlay "2" at 690,1605 h50 r270
LED1: Top Overlay "+" at 4780,1437.13 h20 r270
LED2: Top Overlay "+" at 2325,2025 h20 r270
LED3: Top Overlay "+" at 2570,2010 h20 r270
LED4: Top Overlay "+" at 2825,2010 h20 r270
LED5: Top Overlay "+" at 3065,2010 h20 r270
LED6: Top Overlay "+" at 3325,2010 h20 r270
LED7: Top Overlay "+" at 3595,2010 h20 r270
LED8: Top Overlay "+" at 3840,2010 h20 r270
LED9: Top Overlay "+" at 4095,2025 h20 r270
LED10: Top Overlay "+" at 4630,4490 h20
LED11: Top Overlay "+" at 4920,4485 h20
LED12: Top Overlay "+" at 1490,1715 h20